# Altium PCB Gateway_V2.0_Final_PCB.PcbDoc (continued)
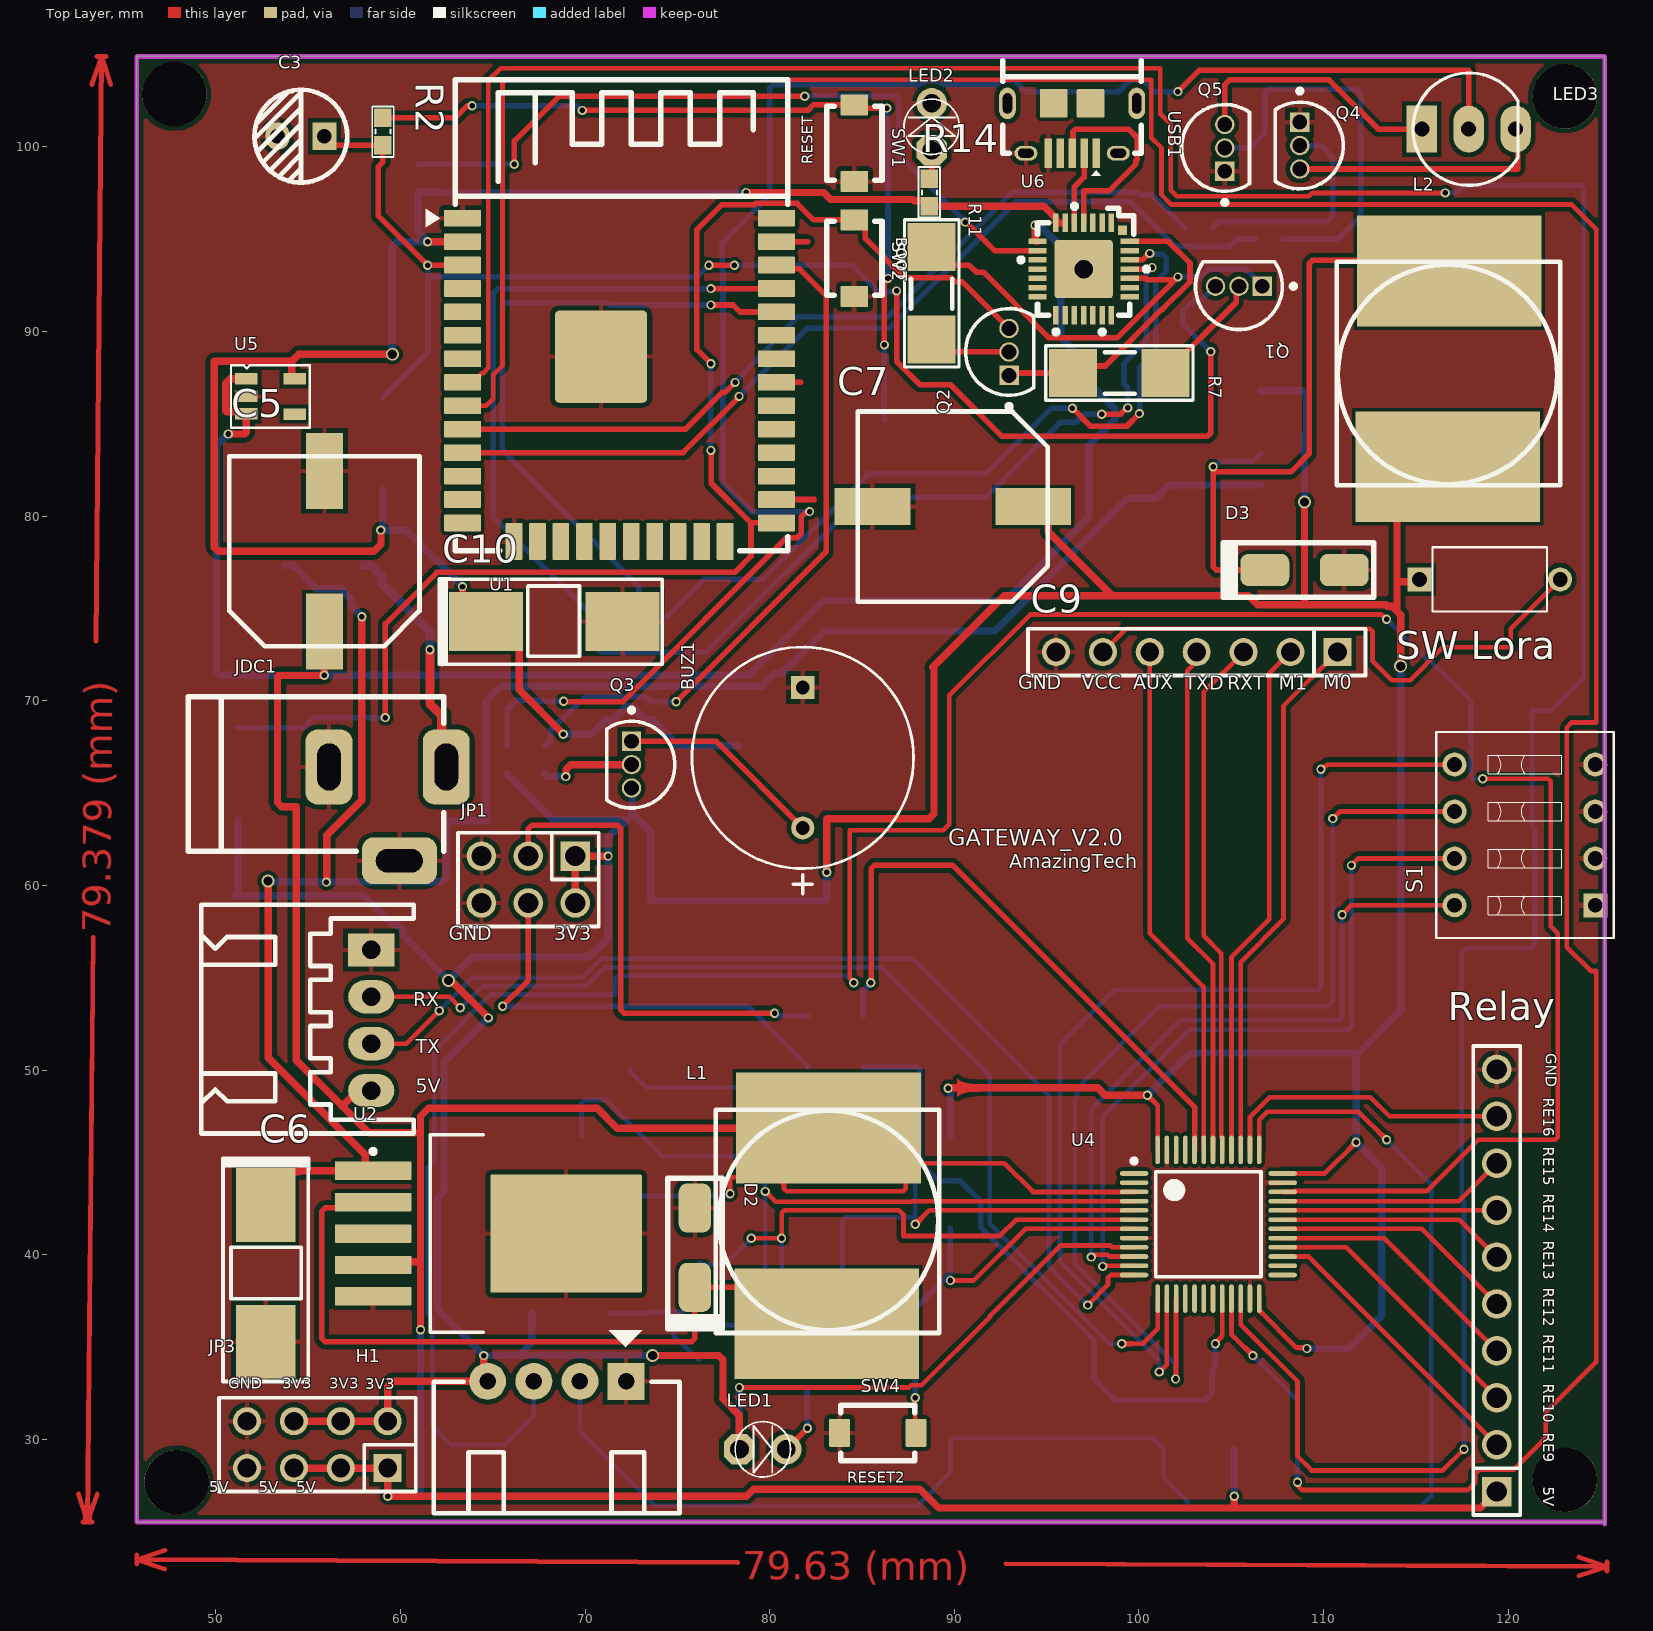
[diagram p0: Top Layer view]
## Footprints (in the part's own frame and the unit in brackets; to place one, negate y for a bottom-side part, rotate by r counter-clockwise, add the part's x,y. Pads: shape width x height; smd on the part's side, far side on the other; paste and mask are expansions set on the pad) (continued)
  silkscreen extent -3.99,-1.47 3.99,1.47, body extent -2.5,-1.25 2.5,1.25, height 0.59
TS5B_M [mm] "D2-PAK, 6-Leads, Body 8.6x10.2mm, Pitch 1.7mm, Lead Span 14.1mm, IPC Low Density"
  rect 3.5x1.1 smd: 1(-6.05,3.4) 2(-6.05,1.7) 3(-6.05,0) 4(-6.05,-1.7) 5(-6.05,-3.4)
  rect 8.6x10.5 smd: 6(3.5,0)
  silkscreen extent -6.17,-5.2 -1.2,5.2, body extent -2.6,-5.2 6.29,5.2, height 4.65
"tu 0805" [mm] "Compoment SMD 80x50mil"
  rect 1.2x1.4 smd: 1(-0.946,-0.003) 2(0.954,-0.003)
  silkscreen extent -1.75,-0.89 1.75,0.89, body extent -1.01,-0.64 1.01,0.63, height 0.61
"tu 1206" [mm]
  rect 1.7x1.7 smd: 1(-1.65,0) 2(1.65,0)
  silkscreen extent -2.67,-1.02 2.67,1.02, body extent -1.57,-0.8 1.63,0.8, height 0.94
"tu hoa 5mm" [mm]
  rect 1.3x1.5 hole 0.8: 1(-1.27,0)
  oval 1.3x1.5 hole 0.8: 2(1.27,0)
  silkscreen extent -2.51,-2.51 2.51,2.51, body extent -3.12,-3.18 3.23,3.18, height 14.55
"tu nhom 10 (G)" [mm]
  rect 4.1x2 smd: 1(-4.35,0) 2(4.35,0)
  silkscreen extent -5.15,-5.15 5.15,5.15, body extent -5.9,-5.25 5.9,5.25, height 10.5
"tu tantalum smd7343" [mm]
  rect 4x3.2 smd: 1(-3.7,0) 2(3.7,0)
  silkscreen extent -6.23,-2.31 5.85,2.31, body extent -3.75,-2.33 3.85,2.27, height 3.99
"USB_MICRO_B - Digikey" [mm] "USB_MICRO_B, 609-4618-1-ND"
  rrect10% 0.4x1.6 smd: 1(0,0) 2(0.65,0) 3(1.3,0) 4(1.95,0) 5(2.6,0)
  oval 1.25x0.8 hole 0.85 slot 0.5 at 90 deg: 6(-1.2,0) 7(3.8,0)
  oval 0.9x1.7 hole 0.5 slot 1.1 at 90 deg: 8(-2.2,-2.7) 9(4.8,-2.7)
  rrect10% 1.5x1.55 smd: ""(0.3,-2.7) ""(2.3,-2.7)
  silkscreen extent -2.45,-5 5.05,1.22, body extent -2.45,-5 5.05,0.29, height 2.61
XH4/2.54mm/90 [mm]
  rect 1.8x2.5 hole 1: 1(0,0)
  oval 1.8x2.5 hole 1: 2(2.54,0) 3(5.08,0) 4(7.62,0)
  silkscreen extent -2.45,-9.2 9.95,2.3, body extent -2.45,-9.2 9.95,2.3, height 6.1

## Part data
BUZ1: library part CMP-12433-000001-1, "MAGNETIC BUZZER AND TRANSDUCER - More Details", Current=30mA, Frequency=2300Hz, Manufacturer="Multicomp Pro", Manufacturer Part Number=MCKPX-G1203A-K4056, Max Supply Voltage=5V, Min Supply Voltage=2V, Operating Supply Voltage=3V, Package=0, Temperature="-20°C to +70°C", Temperature Range High=+70°C, Temperature Range Low=-20°C, Automotive=No, Category=Speak, ComponentLink2Description=Datasheet, ComponentLink2URL=http://www.farnell.com/datasheets/1498149.pdf?_ga=2.17855225.1157923166.1572356775-536200964.1569240579, Device Class L1=Electromechanical, Device Class L2="Audio Products", Device Class L3=Buzzers, Height=9.5mm, Lead Free=Yes, Octopart=https://octopart.com/mckpx-g1203a-k4056-multicomp-12157154, RoHS=TRUE, Standoff Height=0.5mm
C1: library part "Tu tantalum 22uF 25V SMD7343", "Dán", Chung_Loai=Dán, Don_Vi=Con, Ma_Hang=MH007975, So_Chan=2, Ten_Linh_Kien="Tụ tantalum 226E-22uF 25V SMD7343"
C2 C11 C12: library part "Tu 1206 104 50V 20%", "Dán", Chung_Loai=Dán, Don_Vi=Con, Ma_Hang=MH004544, So_Chan=2, Ten_Linh_Kien="Tụ 1206 104-0.1uF 20% 50V"
C3: library part "Tu Hoa 4.7uF 50V 5x11", "Cắm", Chung_Loai=Cắm, Don_Vi=Con, Ma_Hang=MH001357, So_Chan=2, Ten_Linh_Kien="Tụ Hóa 4.7uF 50V 5x11MM"
C4 C6: library part "Tu tantalum 100uF 16V SMD7343", "Dán", Chung_Loai=Dán, Don_Vi=Con, Ma_Hang=MH002346, So_Chan=2, Ten_Linh_Kien="Tụ tantalum 107C-100uF 16V SMD7343"
C5 C7: library part "Tu Nhom 1000uF 10V", "Dán", Chung_Loai=Dán, Don_Vi=Con, Ma_Hang=MH007515, So_Chan=2, Ten_Linh_Kien="Tụ Nhôm 1000uF 10V"
C8 C10: library part "Tu tantalum 10uF 35V SMD7343", "Dán", Chung_Loai=Dán, Don_Vi=Con, Ma_Hang=MH001955, So_Chan=2, Ten_Linh_Kien="Tụ tantalum 106V-10uF 35V SMD7343"
C9: "WR-PHD 2.54 mm Angled Socket Header", Manufacturer="W¨¹rth Elektronik eiSos GmbH", partNo=613007143121, ComponentLink1 Description=Manufacturer, ComponentLink1URL=http://www.we-online.com, ComponentLink2 Description=Datasheet, ComponentLink2URL=http://katalog.we-online.de/em/datasheet/6130xx143121.pdf, Created by="Karrer Zheng", Created Date="29 March 2013", NoPins=07
C13 C14 C15 C16 C21 C22: library part "Tu 0805 20pF 50V 10%", "Dán", Chung_Loai=Dán, Don_Vi=Con, Ma_Hang=MH004558, So_Chan=2, Ten_Linh_Kien="Tụ 0805 20P 10% 50V"
C17 C18 C19 C20: library part "Tu 0805 104 50V 10%", "Dán", Chung_Loai=Dán, Don_Vi=Con, Ma_Hang=MH004551, So_Chan=2, Ten_Linh_Kien="Tụ 0805 104-100nF 10% 50V"
D1 D2 D3: library part "D Schottky", "Schottky Diode", Code_JEDEC=DO-214-AA, LatestRevisionDate=17-Jul-2002, LatestRevisionNote="Re-released for DXP Platform.", PackageDescription="DO-214-AA/SMB; 2 C-Bend Leads; Body 5.3 x 3.6 mm, inc. leads (LxW)", PackageReference=SMB, Published=8-Jun-2000, Publisher="Altium Limited"
H1: library part "Header 4P 2.54 Duc Cong", "Cắm", Chung_Loai=Cắm, Don_Vi=Con, Ma_Hang=MH001310, Ten_Linh_Kien="Header 4P XH2.54-4P Đực Cong"
JDC1: library part DCIN, "Jac DC input"
JP1: library part "JP 2x3 2.54 Duc Thang", "Cắm", Chung_Loai=Cắm, Don_Vi=Con, Ma_Hang=MH002686, Ten_Linh_Kien="Jump Đôi Đực 2.54MM 2x40P Thẳng 11MM"
JP3: library part "JP 2x4 2.54 Cai Thang", "Cắm", Chung_Loai=Cắm, Don_Vi=Con, Ma_Hang=MH008647, Ten_Linh_Kien="Jump Đôi Cái 2.54MM 2x20P Thẳng"
L1 L2: library part "CUON CAM 100uH SMD", "Dán", Chung_Loai=Dán, Don_Vi=Con, Ten_Linh_Kien="Cuộn Cảm 100uH 7x7x4MM CD74"
LED1 LED2: library part "LED 3mm Xanh La", "Cắm", Chung_Loai=Cắm, Don_Vi=Con, Ma_Hang=MH001054, Ten_Linh_Kien="Led 3MM Phủ Xanh (10c)"
LED3: library part "LED 5mm 2 mau Anot chung", "Cắm", Chung_Loai=Cắm, Don_Vi=Con, Ma_Hang=MH001231, Ten_Linh_Kien="Led 5MM 2 Mầu Anot Xanh Đỏ (10c)"
Q1 Q2 Q3 Q4 Q5: library part CMP-2000-05562-1, "General Purpose Transistor, NPN Silicon, 200 mA, 60 V, -55 to 150 degC, 3-Pin TO-92, RoHS, Bulk", Collector- Base Voltage VCBO=60V, Collector- Emitter Voltage VCEO Max=40V, Collector-Emitter Saturation Voltage=0.3V, Emitter- Base Voltage VEBO=6V, Manufacturer=ONSemiconductor, Maximum DC Collector Current=0.2A, Maximum Operating Temperature=+150C, Maximum Power Dissipation=625mW, Minimum Operating Temperature=-65C, Package / Case=TO-92-3(TO-226), Package Description="3-Pin Transistor Outline, Body 4.825 x 3.685 mm, Pitch 1.27 mm", Package Reference=TO-92-3-29-11, Brand=ONSemiconductor, Configuration=Single, Datasheet URL=https://datasheet.ciiva.com/4725/2n3903-d-285841-4725808.pdf, Datasheet Version="Rev. 8, 08/2012", DC Collector/Base Gain hfe Min=60, Factory Pack Quantity=5000, Gain Bandwidth Product fT=270MHz, Manufacturer URL=http://www.onsemi.com/, Mounting Style=ThroughHole, Mounting Technology=ThroughHole, Packaging=Bulk, Product Category=BipolarTransistors-BJT, RoHS=Details, Transistor Polarity=NPN
R1 R3 R7 R11 R13: library part "Tro 2010 5% 10k", "Dán", Chung_Loai=Dán, Don_Vi=Con, Ma_Hang=MH005617, So_Chan=2, Ten_Linh_Kien="Trở 2010 5% 103-10k"
R2: library part "Tro 0603 1% 0R", "Dán", Chung_Loai=Dán, Don_Vi=Con, Ma_Hang=MH005792, So_Chan=2, Ten_Linh_Kien="Trở 0603 1% 0R"
R4 R5: library part "Tro 1206 1% 100K", "Dán", Chung_Loai=Dán, Don_Vi=Con, Ma_Hang=MH005890, So_Chan=2, Ten_Linh_Kien="Trở 1206 1% 100k"
R6 R10: library part "Tro 0805 5% 1M", "Dán", Chung_Loai=Dán, Don_Vi=Con, Ma_Hang=MH005235, So_Chan=2, Ten_Linh_Kien="Trở 0805 5% 1M"
R8 R9 R14: library part "Tro 0603 1% 1k", "Dán", Chung_Loai=Dán, Don_Vi=Con, Ma_Hang=MH006334, So_Chan=2, Ten_Linh_Kien="Trở 0603 1% 1k"
R12: library part "Tro 0603 5% 4.7k", "Dán", Chung_Loai=Dán, Don_Vi=Con, Ma_Hang=MH006327, So_Chan=2, Ten_Linh_Kien="Trở 0603 5% 4.7k"
R15 R16 R17 R18: library part "Tro 0603 5% 220R", "Dán", Chung_Loai=Dán, Don_Vi=Con, Ma_Hang=MH006322, So_Chan=2, Ten_Linh_Kien="Trở 0603 5% 220R"
Relay: library part "JP 1x10 2.54 Duc Thang", "Cắm", Chung_Loai=Cắm, Don_Vi=Con, Ma_Hang=MH000903, Ten_Linh_Kien="Jump Đơn Đực 2.54MM 1x40P Thẳng 11MM"
S1: library part SWDIP4, "WS-DITV 2.54 mm small compact THT flat actuator with top tape", Manufacturer="Wurth Elektronik", Part No.=418127160904, ComponentLink1 Description=Manufacturer, ComponentLink1URL=http://www.we-online.com, ComponentLink2 Description=Datasheet, ComponentLink2URL=http://katalog.we-online.de/em/datasheet/4181271609xx.pdf, Created by="Baojun Chen", Created Date=Dec.2015, Pole=04
SW1 SW2 SW4: library part SW2, "SWITCH TACTILE SPST-NO 0.05A 12V", Digikey=CKN10384CT-ND
"SW Lora": library part SW2, "Switch button 2 pin"
U1: "ESP-WROOM-32 (8MB), WIFI MODULE 64 MBITS SPI FLASH", Digikey=1904-1019-1-ND
U2: library part CMP-0069-00115-3, "SIMPLE SWITCHER® 3A Step-Down Voltage Regulator, 5-pin TO-263", Manufacturer="Texas Instruments", PackageTopMarking="NSUZXYTTE#*LM2576S*-5.0 P+", PowerWise=N, Code_JEDEC=MO-169-AB, ComponentLink1Description="Datasheet URL", ComponentLink1URL=http://www.ti.com/general/docs/lit/getliterature.tsp?genericPartNumber=LM2576&fileType=pdf, CompType=Switcher, PackageDescription="TO-263, Molded, .400 x .390 x .180in, 5 Lead, .067in Pitch, Surface Mount", PackageReference=KTT0005B, PinCount=5, RoHS=N
U3: library part CMP-0069-00113-2, "SIMPLE SWITCHER® 3A Step-Down Voltage Regulator, 5-pin TO-263", Manufacturer="National Semiconductor", PackageTopMarking="NSUZXYTTE#*LM2576S*-3.3 P+", PowerWise=N, Code_JEDEC=MO-169-AB, ComponentLink1Description="LM2576 Datasheet", ComponentLink1URL=http://www.national.com/ds/LM/LM2576.pdf, ComponentLink2Description="LM2576 Web Page", ComponentLink2URL=http://www.national.com/pf/LM/LM2576.html, ComponentLink3Description="TS5B Package Page", ComponentLink3URL=http://www.national.com/packaging/folders/ts5b.html, CompType=Switcher, DatasheetVersion=Aug-2004, PackageDescription="TO-263, Molded, .400 x .390 x .180in, 5 Lead, .067in Pitch, Surface Mount", PackageReference=TS5B, PackageVersion="revD, Apr-2005", PinCount=5, RevisionNote="Component URLs added", RoHS=N
U4: library part CMP-0237-00215-3, "ARM Cortex-M3 32-bit MCU, 64 KB Flash, 20 KB Internal RAM, 37 I/Os, 48-pin LQFP, -40 to 85 degC, Tray", I/Os (High Current)=37, Operating Frequency(F) (Processor speed) (MHz)=72, Supply Voltage(Vcc) min (V)=2, A/D Converter="2x12-bit (10 Channel)", ComponentLink1Description="Manufacturer URL", ComponentLink1URL=http://www.st.com/web/en/home.html, ComponentLink2Description=Datasheet, ComponentLink2URL=http://www.st.com/st-web-ui/static/active/en/resource/technical/document/datasheet/CD00161566.pdf, ComponentLink3Description="Package Specification", ComponentLink3URL=http://www.st.com/st-web-ui/static/active/en/resource/technical/document/datasheet/DM00058181.pdf, Core="ARM Cortex-M3", DatasheetVersion="Rev. 16", FLASH Size (Prog) (kB)=64, Internal RAM Size (kB)=20, Mounting Technology="Surface Mount", PackageDescription="48-Pin Low Profile Quad Flat Package, 7 x 7 mm Body, 0.5 mm Pitch", PackageReference=LQFP48, PackageVersion="Rev. 6, 06/2013", Packing=Tray, PartNumber=STM32F103C8T6
U5: library part REG_5.5V-3.3V-0.3A-1W-SOT-23-5, "Linear Voltage Regulator IC 1 Output 300mA SOT-23-5", Alternate Part Number-1=NA, Case/Package=SOT-23-5, Manufacturer="Richtek USA Inc.", Supplier Part Number-1=C15651, Manufacturer Part Number=RT9193-33GB, Supplier-1=LCSC
U6: library part CP2102, "USB Bridge, USB to UART USB 2.0 UART Interface 28-QFN (5x5)", Digikey=336-3694-ND, VNBuy=https://banlinhkien.vn/goods-2607-cp2102-qfn28.html
USB1: library part USB_MINI, "USB - micro B USB 2.0 Receptacle Connector 5 Position Surface Mount, Right Angle; Through Hole", BuyVN=https://banlinhkien.vn/goods-5145-microusb-mk5p-dip.html, Digikey=609-4618-1-ND
Y1: library part CMP-27762-001729-1, "CRYSTAL 8.0000MHZ 18PF SMD", ESR (Equivalent Series Resistance)=80R, Frequency=8MHz, Frequency Stability=30ppm, Load Capacitance=18pF, Max Operating Temperature=85°C, Min Operating Temperature=-40°C, Operating Frequency="8 MHz", Package Quantity=1000, Depth=4.7mm, Frequency Tolerance=30ppm, Height=0.13inch, Lead Free="Lead Free", Length=11.4mm, Mount="Surface Mount", Number of Pins=2, Packaging="Tape and Reel", RoHS Compliant=Yes, Series=ABLS2, Series Resistance=80R, Termination=SMD/SMT, Tolerance=30ppm, Width=4.7mm
Y2: library part CMP-2000-05037-2, "CRYSTAL 32.7680KHZ 12.5PF SMD", Case/Package=SMD/SMT, ESR (Equivalent Series Resistance)=50kR, Frequency=32.768kHz, Frequency Tolerance=20ppm, Load Capacitance=12.5pF, Max Operating Temperature=85°C, Min Operating Temperature=-40°C, Operating Frequency="32.768 kHz", Package Quantity=1000, Depth=3.8mm, Height=0.098inch, Lead Free="Lead Free", Length=8mm, Mount="Surface Mount", Number of Pins=4, Packaging="Tape and Reel", Radiation Hardening=No, REACH SVHC="No SVHC", RoHS Compliant=Yes, Series=ABS25, Series Resistance=50kR, Termination=SMD/SMT, Tolerance=20ppm, Width=3.8mm

## Free pads (board coordinates)
  round 3.5 hole 3.5: ""(47.752,102.87) ""(47.879,27.686) ""(123.063,27.813) ""(123.063,102.743)

## Via types
v1: diameter 0.5, hole 0.3, Top Layer to Bottom Layer, 88 vias
v2: diameter 0.7, hole 0.5, Top Layer to Bottom Layer, 6 vias

## Nets (pads, with @x,y where several pads share a name; then routed paths per layer and width w, separated by ;. In a path a pad name is that pad's centre, name@x,y a point inside that pad or via, vN(x,y) a via of type N, cw(c..) or ccw(c..) an arc to the next point about the centre after c; other vN are vias at no path point)
3.3V_ESP: C1.1 C2.2 C10.1 C12.1 R1.2 R12.1 R14.1 U1.2 U5.5 U6.6 U6.7 | length 109
  Top Layer w0.4: U5.5 54.232,87.44 54.122,87.55 54.122,88.392 ; v1(58.928,79.248) 58.945,79.231 58.945,78.482 58.557,78.094 50.158,78.094 49.924,78.328 49.924,88.392 54.122,88.392 ; v2(59.563,88.773) 54.483,88.773 54.483,88.753 54.122,88.392 ; v1(61.468,94.869) 61.472,94.873 63.362,94.873 U1.2 ; v1(63.361,76.188) 63.361,75.56 C10.1 65.026,74.295 66.426,72.895 66.426,70.607 68.834,68.199 v1(68.822,68.187) ; v1(78.721,97.536) 82.918,97.536 83.299,97.155 87.769,97.155 87.838,97.086 88.371,97.086 88.646,96.811 R14.1 94.853,96.786 95.504,96.135 U6.7 U6.6@95.954,95.885
  Bottom Layer w0.4: R1.2 59.055,79.402 58.928,79.275 v1(58.928,79.248) 60.324,79.248 v1@63.373,76.199 ; v2(59.563,88.773) 59.563,94.635 59.797,94.869 v1(61.468,94.869) 61.468,94.896 60.96,95.404 R12.1 60.966,97.542 62.097,97.542 62.103,97.536 v1(78.721,97.536) v1@78.74,97.536 ; v1(68.822,68.187) 70.347,68.187 71.135,68.975 71.515,68.975 72.224,69.684 72.556,69.684 73.265,68.975 73.645,68.975 75.056,67.564 C1.1
3V3: "SW Lora.1" C7.1 C17.1 C18.1 C19.1 C20.1 C21.1 H1.4 JP1.1 JP1.6 JP3.6 JP3.7 JP3.8 L2.2 LED1.1 Q3.3 R3.2 R13.2 R15.2 U3.4 U4.9 U4.24 U4.36 U4.48 | length 307.5
  Top Layer w0.254: v1(78.359,32.813) 87.543,32.813 87.666,32.936 88.22,32.936 91.936,36.651 91.936,36.691 95.754,40.509 98.44,40.509 98.543,40.406 U4.9 ; v1(100.457,48.641) 101.009,48.089 U4.48 ; U4.24 106.509,36.985 108.522,34.972 109.046,34.972 v1(109.093,34.925) ; U4.36 110.065,44.406 v1(111.76,46.101)
  Top Layer w0.4: JP3.6 JP3.7 JP3.8 59.309,32.893 59.563,33.147 H1.4 64.516,33.354 64.516,34.29 ; v2(62.601,54.854) 62.658,54.797 62.8,54.797 v1(64.767,52.829) ; JP1.6 JP1.1 v1(71.247,61.595) ; v2(73.66,34.544) 77.236,34.544 77.47,34.31 77.47,32.258 77.441,32.229 78.359,31.312 LED1.1 ; v1@83.084,60.732 83.084,63.627 88.646,63.627 88.9,63.881 88.9,71.755 88.837,71.819 92.71,75.692 98.552,75.692 ; v1@89.662,49.042 97.77,49.042 98.171,48.641 v1(100.457,48.641) ; C7.1 94.292,80.518 95.092,79.718 95.092,79.152 98.552,75.692 ; v2(108.966,80.772) 108.966,75.203 ; v2(114.173,71.882) 114.173,74.656 113.975,74.854 ; 115.189,76.581 115.062,76.454 113.975,76.454 ; L2.2 113.975,79.939 113.975,76.454 ; 98.552,75.692 105.927,75.692 106.417,75.203 108.966,75.203 ; 108.966,75.203 113.357,75.203 113.435,75.126 113.703,75.126 113.975,74.854 ; 113.975,74.854 113.975,76.454
  Bottom Layer w0.4: R3.2 51.181,59.563 51.054,59.436 58.019,59.436 59.586,57.869 59.858,57.869 60.124,57.603 60.124,57.331 v2(62.601,54.854) ; JP3.8 JP3.8@59.436,31.115 ; v2@62.611,54.864 63.881,56.134 70.231,56.134 71.247,57.15 v1(71.247,61.595) 71.247,62.611 71.872,63.236 71.945,63.236 72.268,63.559 ; v1(64.767,52.829) 62.357,50.419 62.357,43.434 61.995,43.072 61.995,37.065 v1(64.516,34.544) 66.421,34.544 ; R15.2 65.786,66.027 68.254,63.559 72.268,63.559 ; C21.1 67.113,35.376 67.183,35.306 66.421,34.544 ; Q3.3 72.571,65.224 72.571,63.9 72.59,63.881 ; v2(73.66,34.544) 66.421,34.544 ; LED1.1 v1(78.359,32.813) ; v1(83.084,60.722) 83.084,59.261 C18.1 83.012,59.189 C17.1 C20.1 C19.1 73.553,62.918 72.59,63.881 ; v1(89.662,49.022) 89.662,48.995 89.789,48.868 R13.2 ; v1(100.457,48.641) 102.743,50.927 111.629,50.927 111.76,50.796 ; U3.4 108.859,86.79 109.093,86.556 109.093,84.496 108.966,84.369 v2(108.966,80.772) ; v1(109.093,34.925) 111.379,34.925 113.157,36.703 113.157,44.704 v1(111.76,46.101) 111.76,50.796 ; v2(114.173,71.882) 114.173,53.209 111.76,50.796 ; 72.268,63.559 72.59,63.881
5V: C5.1 C11.1 JP3.1 JP3.2 JP3.3 L1.2 Relay.1 U2.4 U5.1 U5.3 U6.8 XH1.4 | length 245.2
  Top Layer w0.4: v1(50.673,84.455) 51.562,84.455 51.649,84.542 U5.3 51.539,85.65 50.602,85.65 50.546,85.705 50.546,87.205 50.78,87.44 U5.1 ; JP3.3 JP3.2 JP3.1 59.309,27.178 ; C5.1 v1(55.88,71.384) 55.88,71.374 53.34,71.374 53.34,64.496 53.574,64.262 54.356,64.262 54.356,50.546 56.832,48.069 ; XH1.4 57.691,48.895 56.866,48.069 56.832,48.069 ; U2.4 58.696,39.624 61.087,39.624 ; v1(59.309,26.924) 78.74,26.924 79.121,27.305 88.138,27.305 89.154,26.289 105.156,26.289 ; v1(61.087,35.941) 61.087,39.624 ; L1.2 71.729,46.863 70.663,47.93 61.519,47.93 61.087,47.498 61.087,46.609 ; v1(94.361,95.758) 94.38,95.739 94.38,94.935 94.43,94.885 U6.8 ; v1(105.156,26.924) 105.156,26.289 ; Relay.1 118.491,26.289 105.156,26.289 ; 56.832,48.069 58.293,46.609 61.087,46.609 ; 61.087,39.624 61.087,46.609
  Bottom Layer w0.4: v1@50.546,84.328 50.038,83.82 50.038,71.618 50.272,71.384 v1(55.88,71.384) 78.867,71.384 82.917,75.434 92.766,75.434 97.282,79.95 97.282,83.829 98.69,85.237 98.69,85.82 97.282,87.228 97.282,88.179 95.758,89.703 95.758,94.615 94.615,95.758 v1(94.361,95.758) ; v1(59.309,26.924) 60.853,26.924 61.087,27.158 v1(61.087,35.941) ; v1(105.156,26.924) C11.1 ; Relay.1@118.999,27.051 Relay.1@119.253,27.305 ; Relay.1 Relay.1@119.951,27.749
BOOT0: R4.1 U4.44 | length 33.5
  Top Layer w0.3: v1(85.471,54.737) 85.49,54.756 85.49,60.911 85.666,61.087 89.916,61.087 103.009,47.994 U4.44
  Bottom Layer w0.3: R4.1 85.066,54.278 85.471,54.683 v1(85.471,54.737)
BOOT1: R5.2 U4.20 | length 36.9
  Top Layer w0.254: v1(104.14,35.179) 104.14,35.246 104.509,35.615 U4.20
  Bottom Layer w0.3: R5.2 88.011,50.165 88.138,50.038 88.138,44.998 89.13,44.006 90.32,44.006 91.439,42.887 91.439,41.49 97.574,35.355 97.574,33.269 98.712,32.131 103.632,32.131 103.956,32.455 103.956,33.76 104.14,33.944 v1(104.14,35.179)
EN: C3.1 Q1.3 R1.1 R2.2 U1.3 | length 79.7
  Top Layer w0.3: C3.1 56.376,100.088 R2.2 59.055,99.187 58.801,98.933 58.801,96.266 v1(61.468,93.599) 61.468,93.606 U1.3 ; v1(76.708,93.599) v1(78.086,93.599) v1@78.105,93.599 ; v1(86.868,92.202) 86.868,88.385 88.131,87.122 89.789,87.122 92.583,84.328 103.71,84.328 103.886,84.504 v1(103.886,88.919) v1@103.886,89.027
  Bottom Layer w0.3: R1.1 61.468,88.86 61.468,92.964 ; v1(61.468,93.599) 61.468,92.964 ; v1(76.708,93.599) 76.073,92.964 61.468,92.964 ; v1(78.086,93.599) 84.455,93.599 85.979,92.075 86.279,92.075 86.368,92.164 86.83,92.164 v1(86.868,92.202) ; v1(103.886,88.919) 102.362,90.443 102.362,91.059 102.989,91.686 103.37,91.686 Q1.3
GND: BUZ1.1 C1.2 C2.1 C3.2 C4.2 C5.2 C6.2 C7.2 C8.2 C9.7 C10.2 C11.2 C12.2 C13.2 C14.2 C15.2 C16.2 C17.2 C18.2 C19.2 C20.2 C21.2 C22.2 D2.1 D3.1 H1.1 JDC1.2 JDC1.3 JP1.3 JP1.4 JP3.4 JP3.5 LED2.2 Q4.1 Q5.1 R10.2 Relay.10 S1.1 S1.2 S1.3 S1.4 SW1.1 SW2.2 SW4.1 U1.1 U1.15 U1.38 U1.39 U2.3 U2.5 U2.6 U3.3 U3.5 U3.6 U4.8 U4.23 U4.35 U4.47 U5.2 U6.3 U6.29 USB1.5 USB1.6 USB1.7 XH1.1
IO0: Q2.3 R3.1 SW2.1 U1.25 | length 75.6
  Top Layer w0.3: v1@59.182,69.088 v1(59.182,69.098) 59.182,74.168 61.976,76.962 78.105,76.962 78.987,77.844 78.987,79.636 ; v1(76.816,83.566) 76.835,83.547 76.835,81.788 78.987,79.636 ; v1(76.816,88.265) 76.054,89.027 76.054,95.521 77.415,96.882 79.183,96.882 79.247,96.946 81.485,96.946 82.376,96.055 SW2.1 84.758,96.055 85.179,95.633 85.179,95.034 87.249,92.964 87.289,92.964 87.328,92.925 89.828,92.925 90.043,92.71 90.424,92.71 Q2.3 ; U1.25 78.987,79.636
  Bottom Layer w0.3: R3.1 54.752,68.54 55.31,69.098 v1(59.182,69.098) ; v1(76.816,83.566) v1(76.816,88.265)
IO2: U1.24 | length 0.5
  Top Layer w0.3: U1.24@77.581,78.086 U1.24
IO4/INT: U1.26 | length 2
  Top Layer w0.3: U1.26 82.416,80.906
IO5: U1.29
IO6: U1.20
IO7: U1.21
IO8: U1.22
IO9: U1.17
IO10: U1.18
IO11: U1.19
IO12/MISO: U1.14
IO13/MOSI: U1.16
IO14/SCK: U1.13
IO15/CS: U1.23
IO16/RX: U1.27
IO17/TX: U1.28
IO18: U1.30 | length 0
  Top Layer w0.3: U1.30 U1.30@80.37,85.983
IO19: U1.31 | length 1.3
  Top Layer w0.3: U1.31 81.668,87.256
IO21: U1.33
IO22: R16.1 U1.36 | length 37.4
  Top Layer w0.3: v1(74.93,69.949) 83.058,78.077 83.058,91.948 81.613,93.393 80.579,93.393 U1.36
  Bottom Layer w0.3: R16.1 68.143,67.877 68.143,68.433 68.689,68.979 68.761,68.979 70.016,70.234 73.293,70.234 73.579,69.949 v1(74.93,69.949)
IO23: U1.37 | length 1.7
  Top Layer w0.3: U1.37 82.049,94.876
IO25: R17.1 U1.10 | length 45.3
  Top Layer w0.3: U1.10 63.369,84.713 75.442,84.713 77.45,86.721 77.596,86.721 v1(78.124,87.249)
  Bottom Layer w0.3: v1(78.124,87.249) 81.339,90.629 81.515,90.805 86.396,90.805 93.127,97.536 99.949,97.536 100.076,97.409 100.698,97.409 R17.1@102.476,95.631
IO26: R18.1 U1.11 | length 49.7
  Top Layer w0.3: U1.11 63.369,83.443 75.315,83.443 v1@78.359,86.487
  Bottom Layer w0.3: v1(78.34,86.487) 82.023,90.17 86.468,90.17 93.326,97.028 99.568,97.028 101.981,94.615 104.902,94.615 105.283,94.996 R18.1@106.299,94.996
IO27/RESET_ETH: U1.12
IO32: U1.8 U4.22 | length 177.1
  Top Layer w0.254: U1.8 63.916,87.256 64.409,87.749 64.475,87.749 64.76,88.034 64.76,103.601 65.427,104.267 101.157,104.267 101.157,101.789 101.727,101.219 101.727,97.663 102.056,97.334 109.199,97.334 109.376,97.511 v1(116.586,97.511) ; U4.22 105.509,36.223 108.585,33.147 108.585,29.083 109.347,28.321 116.459,28.321 v1(117.602,29.464)
  Bottom Layer w0.254: v1(116.586,97.511) 116.607,97.532 117.217,97.532 117.601,97.916 123.931,97.916 124.08,97.767 124.08,71.248 122.301,69.469 121.285,69.469 121.285,63.189 121.452,63.022 121.452,56.809 121.251,56.608 117.723,56.608 117.475,56.361 117.475,43.009 117.602,42.882 v1(117.602,29.464)
IO33: U1.9 U4.21 | length 180.6
  Top Layer w0.254: U1.9 64.65,85.986 65.024,86.36 65.024,87.656 65.532,88.164 65.532,103.483 65.681,103.632 100.659,103.632 100.659,100.509 101.219,99.949 101.219,97.409 101.748,96.88 123.443,96.88 124.768,95.555 124.768,68.834 123.444,68.834 123.168,68.558 123.168,56.664 124.46,55.372 124.768,55.372 124.768,34.217 122.035,31.484 122.035,30.087 120.307,28.359 118.422,28.359 118.199,28.136 118.199,27.648 117.809,27.258 108.839,27.258 108.632,27.465 108.632,27.639 v1(108.585,27.686) ; U4.21 105.009,35.707 v1(106.172,34.544)
  Bottom Layer w0.254: v1(106.172,34.544) 108.585,32.131 v1(108.585,27.686)
IO34: U1.6
IO35: U1.7
MISO: U4.16
MOSI: U4.17
NetBUZ1_2: BUZ1.2 Q3.1 | length 11.2
  Top Layer w0.3: Q3.1 77.089,67.818 BUZ1.2
NetC8_1: C8.1 R2.1 SW1.2 | length 44.6
  Top Layer w0.3: R2.1 62.98,101.588 63.627,102.235 ; v1(69.85,101.981) 82.059,101.981 82.356,102.278 SW1.2 84.752,102.108 v1(86.341,102.108) ; v1(86.214,89.281) 86.214,92.637 86.406,92.828 v1(86.406,92.883)
  Bottom Layer w0.3: v1(63.881,102.235) 69.542,102.235 69.796,101.981 v1(69.85,101.981) ; v1(86.214,89.281) 86.214,85.253 C8.1 ; v1(86.341,102.108) 86.341,101.323 86.406,101.258 v1(86.406,92.883)
NetC9_6: "SW Lora.2" C9.6 | length 30.2
  Top Layer w0.254: C9.6 99.314,73.914 112.5,73.914 112.649,73.765 112.649,72.158 113.687,71.12 114.681,71.12 116.459,72.898 120.142,72.898 120.142,73.914 122.809,76.581
NetD1_1: D1.1 JDC1.1 | length 13
  Top Layer w0.5: v1(61.595,72.771) 61.595,69.85 62.242,69.203 62.242,66.663 JDC1.1
  Bottom Layer w0.5: D1.1 58.379,77.343 58.989,76.732 58.989,76.384 61.595,73.778 v1(61.595,72.771)
NetD2_2: D2.2 L1.1 U2.2 | length 40.9
  Top Layer w0.3: U2.2 58.217,42.545 55.922,42.545 55.746,42.369 55.746,35.474 55.921,35.298 75.77,35.298 75.946,35.474 D2.2 81.112,38.236 L1.1
NetD3_2: D3.2 L2.1 U3.2 | length 35
  Top Layer w0.3: v1(104.013,82.677) 104.013,82.399 ; D3.2 104.189,77.089 104.013,77.265 104.013,82.399 ; L2.1 116.237,93.853 109.396,93.853 109.22,93.677 109.22,83.387 108.232,82.399 104.013,82.399
  Bottom Layer w0.3: v1(104.013,82.677) 104.067,82.677 104.38,82.99 106.199,82.99 U3.2
NetJP1_2: JP1.2 R4.2 | length 26.7
  Top Layer w0.3: JP1.2 66.929,63.087 67.105,63.262 71.76,63.262 71.936,63.087 71.936,53.262 72.112,53.086 v1(80.264,53.086)
  Bottom Layer w0.3: v1(80.264,53.086) 80.318,53.086 80.445,52.959 R4.2
NetJP1_5: JP1.5 R5.1 | length 24.1
  Top Layer w0.3: v1(65.532,53.467) 66.929,54.864 JP1.5
  Bottom Layer w0.3: v1(65.532,53.467) 78.814,53.467 82.066,50.215 R5.1
NetLED1_2: LED1.2 R10.1 | length 3.6
  Top Layer w0.3: LED1.2 v1(82.042,30.607)
  Bottom Layer w0.3: R10.1 82.042,32.522 v1(82.042,30.607)
NetLED2_1: LED2.1 R14.2 | length 1.6
  Top Layer w0.3: R14.2 88.773,98.413 LED2.1
NetLED3_1: LED3.1 Q5.3 | length 14
  Top Layer w0.3: Q5.3 104.648,103.378 104.902,103.632 110.291,103.632 112.958,100.965 LED3.1
NetLED3_2: LED3.2 R15.1 | length 93.7
  Top Layer w0.3: v1(68.834,69.977) 68.862,69.949 72.029,69.949 80.916,78.836 81.485,78.836 81.716,79.067 81.716,79.976 81.953,80.214 82.119,80.214 v1(82.157,80.252) ; v1(102.108,102.997) 103.257,104.146 117.856,104.146 LED3.2
  Bottom Layer w0.3: R15.1 65.786,69.547 66.264,70.025 67.498,70.025 67.546,69.977 v1(68.834,69.977) ; v1(82.157,80.252) 79.006,80.252 77.47,81.788 77.47,93.29 77.432,93.328 77.432,94.815 77.978,95.361 77.978,95.377 80.01,97.409 80.01,103.202 80.186,103.378 88.081,103.378 cw(c88.773,102.362) 89.465,103.378 92.285,103.378 92.523,103.616 93.231,103.616 93.85,102.997 98.904,102.997 99.523,103.616 100.231,103.616 100.85,102.997 v1(102.108,102.997)
NetLED3_3: LED3.3 Q4.3 | length 14
  Top Layer w0.3: Q4.3 120.523,98.806 120.523,100.838 LED3.3
NetQ1_2: Q1.2 R7.1 | length 6.3
  Top Layer w0.3: R7.1 105.266,91.59 105.266,92.312 Q1.2
NetQ2_2: Q2.2 R11.1 | length 4.5
  Top Layer w0.3: R11.1 89.448,88.9 Q2.2
NetQ3_2: Q3.2 R16.2 | length 5.3
  Top Layer w0.4: v1(68.949,65.901) 68.968,65.92 68.968,66.301 69.215,66.548 Q3.2
  Bottom Layer w0.4: R16.2 67.95,65.92 68.93,65.92 v1(68.949,65.901)
NetQ4_2: Q4.2 R17.2 | length 12
  Bottom Layer w0.3: R17.2 104.312,95.942 110.179,95.942 110.49,96.253 110.49,99.441 109.855,100.076 Q4.2
NetQ5_2: Q5.2 R18.2 | length 21.5
  Bottom Layer w0.3: Q5.2 106.045,99.949 106.807,100.711 106.807,102.948 106.983,103.124 111.76,103.124 112.014,102.87 112.014,96.266 110.744,94.996 ; R18.2@107.823,94.996 110.744,94.996 ; 110.744,94.996 110.757,94.996 110.744,94.983 110.744,94.996
NetR8_1: R8.1 U6.26 | length 42.2
  Top Layer w0.3: v1(96.393,85.852) 97.371,84.874 99.336,84.874 v1(100.024,85.562) ; U6.26 100.181,93.885 100.53,94.234 v1(100.584,94.234)
  Bottom Layer w0.3: R8.1 76.442,76.581 79.629,76.581 85.344,82.296 91.694,82.296 95.25,85.852 v1(96.393,85.852) ; v1(100.024,85.562) 100.047,85.585 100.047,88.109 100.905,88.967 100.905,92.686 101.473,93.254 101.473,93.98 101.257,94.196 100.622,94.196 v1(100.584,94.234)
NetR9_1: R9.1 U6.25 | length 44.1
  Top Layer w0.3: v1(97.986,85.528) 99.002,85.528 99.338,85.864 v1(99.393,85.864) ; U6.25 100.57,93.385 100.657,93.472 v1(100.711,93.472)
  Bottom Layer w0.3: R9.1 70.485,73.012 70.81,72.687 70.943,72.687 70.986,72.644 76.581,72.644 84.963,81.026 91.694,81.026 95.758,85.09 96.6,85.09 97.039,85.528 v1(97.986,85.528) ; v1(99.393,85.864) 99.393,86.964 99.189,87.167 99.189,88.267 100.405,89.483 100.405,93.112 100.711,93.418 v1(100.711,93.472)
NetR12_2: R12.2 U6.9 | length 41.3
  Top Layer w0.3: v1(66.167,99.06) 66.167,100.33 68.58,102.743 v1(81.896,102.743) ; v1@90.551,96.012 92.178,94.385 U6.9
  Bottom Layer w0.3: R12.2 60.972,99.06 v1(66.167,99.06) ; v1@81.788,102.743 81.807,102.762 86.8,102.762 86.995,102.567 86.995,99.532 v1(90.597,95.931)
OSCIN: C13.1 R6.2 U4.5 Y1.1 | length 43.5
  Top Layer w0.254: v1(87.884,41.656) 88.634,42.406 U4.5
  Bottom Layer w0.254: C13.1 72.447,49.935 73.308,49.073 Y1.1 79.176,49.073 80.497,47.752 87.249,47.752 87.566,47.434 87.566,44.895 87.884,44.577 87.884,42.164 ; R6.2 83.947,36.825 83.947,41.888 84.096,42.037 87.757,42.037 87.884,42.164 ; v1(87.884,41.656) 87.884,42.164
OSCOUT: C15.1 R6.1 U4.6 Y1.2 | length 38.9
  Top Layer w0.254: v1(78.994,40.894) 80.531,40.894 v1@80.645,41.008 ; v1@80.645,41.021 80.645,42.267 80.794,42.416 86.993,42.416 87.249,42.159 87.249,41.021 92.456,41.021 93.341,41.906 U4.6
  Bottom Layer w0.254: C15.1 73.49,36.827 73.563,36.9 75.277,36.9 76.2,37.823 Y1.2 76.276,39.497 77.597,39.497 v1(78.994,40.894) ; v1(80.645,40.894) 80.645,38.204 81.985,36.864 R6.1
PA0/REL1: S1.8 U4.10 | length 37.9
  Top Layer w0.254: v1@97.435,39.904 97.502,39.904 97.6,40.002 98.304,40.002 98.4,39.906 U4.10 ; v1(110.998,58.42) 111.506,58.928 S1.8
  Bottom Layer w0.254: v1(97.409,39.878) 97.409,47.879 102.235,52.705 110.849,52.705 110.998,52.854 v1(110.998,58.42)
PA1/REL2: S1.7 U4.11 | length 39.8
  Top Layer w0.254: v1(98.043,39.371) 98.075,39.404 99.732,39.404 U4.11 ; v1(111.506,61.087) 111.887,61.468 S1.7
  Bottom Layer w0.254: v1(98.043,39.371) v1(98.043,39.371) 98.044,47.498 102.743,52.197 111.357,52.197 111.506,52.346 v1(111.506,61.087)
PA2/U2_TX: U4.12 XH1.3 | length 57.3
  Top Layer w0.254: XH1.3 60.325,51.435 v1(62.103,53.213) ; v1(97.22,37.276) 98.32,38.376 98.32,38.757 98.469,38.906 U4.12
  Bottom Layer w0.254: v1(62.103,53.213) 63.9,55.01 69.862,55.01 70.878,56.026 87.738,56.026 95.123,48.641 95.123,39.373 v1(97.22,37.276)
PA3/U2_RX: U4.13 XH1.2 | length 58.9
  Top Layer w0.254: XH1.2 62.657,53.975 v1(63.246,53.386) ; v1(99.06,35.179) 100.203,35.179 101.009,35.985 U4.13
  Bottom Layer w0.254: v1(63.246,53.386) 63.292,53.386 64.462,54.556 70.05,54.556 71.066,55.572 86.033,55.572 91.916,49.689 91.916,41.688 98.425,35.179 v1(99.06,35.179)
PA4: S1.5 U4.14 | length 58.8
  Top Layer w0.254: v1@101.128,33.655 101.509,34.036 U4.14 ; v1(109.855,66.294) 109.922,66.294 110.176,66.548 S1.5
  Bottom Layer w0.254: v1(101.092,33.655) 101.092,34.297 95.765,39.624 95.726,39.624 95.726,51.403 98.679,54.356 109.706,54.356 109.855,54.505 v1(109.855,66.294) v1@109.855,66.421
PA5: S1.6 U4.15 | length 54.9
  Top Layer w0.254: v1@102.009,33.274 U4.15 ; v1(110.49,63.627) 110.871,64.008 S1.6
  Bottom Layer w0.254: v1(101.981,33.274) 101.981,34.05 96.52,39.511 96.52,48.387 96.647,48.514 96.647,49.022 101.092,53.467 110.236,53.467 110.49,53.721 v1(110.49,63.627)
PA8/REL7: Relay.4 U4.29 | length 14.1
  Top Layer w0.254: U4.29 107.786,40.904 113.274,40.904 Relay.4
PA9/REL8: Relay.5 U4.30 | length 13.3
  Top Layer w0.254: U4.30 115.312,41.406 Relay.5
PA10/REL9: Relay.6 U4.31 | length 12.4
  Top Layer w0.254: U4.31 117.352,41.906 Relay.6
PA11/REL10: Relay.7 U4.32 | length 11.6
  Top Layer w0.254: U4.32 119.368,42.406 Relay.7
PA12/REL11: Relay.8 U4.33 | length 12.4
  Top Layer w0.254: U4.33 117.328,42.906 Relay.8
PA15: Relay.9 U4.38 | length 16
  Top Layer w0.254: U4.38 106.009,47.462 107.083,48.536 112.53,48.536 113.568,47.498 Relay.9
PB0: U4.18
PB1: U4.19
PB3/REL12: C9.1 U4.39 | length 29.1
  Top Layer w0.254: U4.39 105.509,55.852 107.823,58.166 107.823,69.723 C9.1
PB4/REL13: C9.2 U4.40 | length 28.3
  Top Layer w0.254: U4.40 105.009,56.114 107.061,58.166 107.061,71.501 C9.2
PB5/REL14: C9.3 U4.41 | length 28.3
  Top Layer w0.254: U4.41 104.509,46.327 104.463,46.373 104.463,56.319 103.505,57.277 103.505,70.485 C9.3
PB6/REL15: C9.4 U4.42 | length 27.8
  Top Layer w0.254: C9.4 102.882,72.402 102.882,71.894 102.616,71.628 102.616,57.15 104.009,55.757 U4.42
PB7/REL16: C9.5 U4.43 | length 28.2
  Top Layer w0.254: C9.5 100.584,57.404 103.509,54.479 U4.43
PB8: U4.45
PB9: U4.46
PB12: U4.25
PB14: Relay.2 U4.27 | length 15.8
  Top Layer w0.254: U4.27 109.192,39.906 Relay.2
PB15: Relay.3 U4.28 | length 15
  Top Layer w0.254: U4.28 111.232,40.406 Relay.3
PC13: U4.2
PC14: C16.1 U4.3 Y2.1 | length 37.4
  Top Layer w0.254: v1(77.851,43.307) 77.851,44.133 77.915,44.196 80.391,44.196 80.772,43.815 80.772,43.583 80.921,43.434 87.227,43.434 87.376,43.583 87.376,44.958 92.71,44.958 94.262,43.406 U4.3
  Bottom Layer w0.254: C16.1 67.113,40.61 68.911,42.408 69.283,42.408 69.806,42.931 Y2.1 69.857,43.18 77.657,43.18 77.784,43.307 v1(77.851,43.307)
PC15: C14.1 U4.4 Y2.4 | length 49.5
  Top Layer w0.254: v1(79.756,43.434) 80.318,42.872 87.689,42.872 87.725,42.908 99.732,42.908 U4.4
  Bottom Layer w0.254: Y2.4 69.806,48.216 69.977,48.387 71.12,48.387 74.168,45.339 79.607,45.339 79.756,45.19 79.756,36.703 79.248,36.195 74.955,36.195 74.806,36.046 74.806,35.56 74.89,35.56 76.103,34.347 C14.1
RESET: C22.1 R13.1 SW4.2 U4.7 | length 24.2
  Top Layer w0.254: v1(87.884,32.262) 87.884,30.396 SW4.2 ; v1(89.789,38.608) 91.059,38.608 93.857,41.406 U4.7
  Bottom Layer w0.3: C22.1 87.175,34.036 87.884,34.036 ; v1(87.884,32.262) 87.884,34.036 ; R13.1 89.789,38.989 87.884,37.084 87.884,34.036
RST(PB13): U4.26
RXD0/USB_TX: R8.2 U1.34 | length 35
  Top Layer w0.3: v1(76.816,91.44) 78.016,91.44 78.394,91.063 80.363,91.063 U1.34
  Bottom Layer w0.3: R8.2 72.91,76.188 65.524,83.574 65.524,91.391 65.7,91.567 71.24,91.567 71.367,91.44 v1(76.816,91.44)
SVN: U1.5
SVP: U1.4
SWCLK: H1.2 U4.37 | length 85.5
  Top Layer w0.254: U4.37 106.509,47.32 106.941,47.752 111.887,47.752 v1(113.411,46.228)
  Bottom Layer w0.254: H1.2 69.723,30.48 73.787,26.416 88.011,26.416 89.789,28.194 89.789,29.95 89.938,30.099 100.711,30.099 101.346,29.464 101.346,27.94 102.616,26.67 102.616,26.438 102.765,26.289 115.189,26.289 115.824,26.924 115.824,43.815 v1(113.411,46.228)
SWDIO: H1.3 U4.34 | length 151
  Top Layer w0.254: v1(84.552,54.737) 84.552,54.784 84.328,55.009 84.328,62.992 89.408,62.992 89.725,63.309 89.725,70.294 94.107,74.676 113.139,74.676 113.393,74.422 v1(113.411,74.422) ; U4.34 108.43,43.406 108.478,43.454 115.59,43.454 118.364,46.228 122.533,46.228 122.682,46.377 122.682,57.404 122.301,57.785 122.301,65.637 122.152,65.786 v1(118.618,65.786)
  Bottom Layer w0.254: H1.3 67.223,31.282 65.659,29.718 62.738,29.718 61.718,30.738 61.718,36.597 61.468,36.847 61.468,44.704 61.83,45.066 61.83,51.035 64.897,54.102 71.628,54.102 71.628,54.969 71.777,55.118 84.171,55.118 v1(84.552,54.737) ; v1(113.411,74.422) 115.657,72.176 115.784,72.176 117.983,69.977 117.983,65.913 118.11,65.786 v1(118.618,65.786)
TXD0/USB_RX: R9.2 U1.35 | length 35.3
  Top Layer w0.3: v1(76.816,92.329) 76.82,92.333 80.363,92.333 U1.35
  Bottom Layer w0.3: R9.2 65.024,79.998 65.024,92.075 65.278,92.329 v1(76.816,92.329)
USB_D+: U6.4 USB1.3 | length 11.5
  Top Layer w0.3: USB1.3 96.427,99.712 96.427,100.823 96.569,100.965 99.441,100.965 99.906,100.5 99.906,99.329 99.822,99.245 99.822,99.06 98.401,97.639 97.004,97.639 U6.4
USB_D-: U6.5 USB1.2 | length 4
  Top Layer w0.3: U6.5 96.504,97.846 97.027,98.369 USB1.2
USB_DTR: Q2.1 R7.2 U6.28 | length 16.7
  Top Layer w0.3: Q2.1 93.091,87.757 R7.2 96.814,88.138 98.171,88.138 101.219,91.186 101.255,91.186 102.762,92.693 102.762,93.707 101.584,94.885 100.731,94.885 100.728,94.888 100.186,94.888 100.183,94.885 U6.28
USB_RTS: Q1.1 R11.2 U6.24 | length 24.6
  Top Layer w0.3: R11.2 89.749,93.599 90.805,93.599 91.186,93.218 91.567,93.218 94.997,89.788 95.123,89.662 98.806,89.662 v1(102.108,92.964) 102.054,92.964 101.908,92.818 100.44,92.818 100.373,92.885 U6.24
  Bottom Layer w0.3: v1(102.108,92.964) 103.334,92.964 103.755,93.385 105.795,93.385 106.305,92.875 106.305,92.831 Q1.1
VBAT: U4.1
VCCUSB: USB1.1
VIN: C4.1 C6.1 D1.2 U2.1 U3.1 | length 113.7
  Top Layer w0.4: C6.1 52.705,43.089 54.105,44.489 54.505,44.489 54.564,44.548 U2.1 ; v2(52.832,60.24) 52.832,50.673 58.091,45.414 58.091,44.848 U2.1@58.391,44.548 ; v1@56.007,60.198 56.007,62.722 57.9,64.615 57.9,74.547 v1(57.912,74.559)
  Bottom Layer w0.4: v2(52.832,60.24) 52.867,60.205 55.988,60.205 55.995,60.198 62.25,60.198 62.484,60.432 62.484,63.266 62.718,63.5 64.643,63.5 64.643,69.997 65.431,70.784 79.547,70.784 80.264,71.501 80.678,71.501 82.964,73.787 92.202,73.787 99.38,80.965 100.921,80.965 101.49,81.534 101.646,81.69 U3.1 ; D1.2 54.18,77.343 55.45,76.073 56.769,76.073 57.355,75.487 57.355,75.143 57.912,74.586 v1(57.912,74.559)
  other v1: 55.995,60.186
pads on no net: U1.32 U5.4 U6. U6.1 U6.2 U6.10 U6.11 U6.12 U6.13 U6.14 U6.15 U6.16 U6.17 U6.18 U6.19 U6.20 U6.21 U6.22 U6.23 U6.27 USB1. USB1.4 USB1.8 USB1.9 Y2.2 Y2.3
copper on no net: | length 143.3
  Top Layer w0.254: 42.56,27.056 43.053,25.527 ; 42.799,25.529 43.307,25.525 ; 43.292,103.383 43.815,104.902 ; 43.357,57.191 43.053,25.527 ; 43.511,73.238 43.815,104.902 ; 43.561,104.904 44.069,104.9 ; 43.576,27.046 43.053,25.527 ; 44.308,103.373 43.815,104.902 ; 45.719,23.241 45.721,23.749 ; 47.242,22.98 45.72,23.495 ; 47.246,23.996 45.72,23.495 ; 78.272,23.339 45.72,23.495 ; 92.797,23.27 125.349,23.114 ; 123.823,22.613 125.349,23.114 ; 123.827,23.629 125.349,23.114 ; 125.348,22.86 125.35,23.368

## Polygon pours and split planes (outlines as drawn)
GND on Top Layer "GND_L01_P000" (solid, remove dead copper, pour order 0): 125.095,104.775 125.095,25.654 45.847,25.654 45.847,104.775
GND on Bottom Layer "GND_L02_P001" (solid, remove dead copper, pour order 1): 45.847,104.775 45.847,25.781 125.095,25.781 125.095,104.775

## Keep-outs
Keep-Out Layer:
  lines w0.254: 125.222,25.4 125.222,104.902 45.72,104.902 45.72,25.527 125.222,25.527

## Other copper
Top Layer:
  text "79.379 (mm)" at 44.274,57.436 h1.52 r89.45
  text "79.63 (mm)" at 78.522,22.424 h1.52 r359.73

## Silkscreen, mask and mechanical layers (free items; w line width, h text height)
Top Overlay:
  text "RESET" at 82.538,99.06 h1.02 r90
  text "BOOT" at 86.626,95.123 h1.02 r270
  text "GND" at 93.472,70.373 h1.27
  text "VCC" at 96.901,70.373 h1.27
  text "AUX" at 99.694,70.373 h1.27
  text "M0" at 109.983,70.373 h1.27
  text "TXD" at 102.489,70.358 h1.27
  text "RXT" at 104.775,70.358 h1.27
  text "M1" at 107.57,70.358 h1.27
  text "GATEWAY_V2.0" at 89.662,61.864 h1.52
  text "AmazingTech" at 92.963,60.691 h1.27
  text "GND" at 62.611,56.784 h1.27
  text "3V3" at 68.326,56.784 h1.27
  text "RX" at 60.706,53.213 h1.27
  text "GND" at 121.805,50.927 h1.02 r270
  text "TX" at 60.833,50.673 h1.27
  text "5V" at 60.833,48.529 h1.27
  text "RE16" at 121.678,48.514 h1.02 r270
  text "RE15" at 121.678,45.847 h1.02 r270
  text "RE14" at 121.666,43.307 h1.02 r270
  text "RE13" at 121.678,40.767 h1.02 r270
  text "RE12" at 121.666,38.227 h1.02 r270
  text "RE11" at 121.666,35.687 h1.02 r270
  text "RE10" at 121.678,33.02 h1.02 r270
  text "GND" at 50.673,32.524 h1.02
  text "3V3" at 53.594,32.524 h1.02
  text "3V3" at 56.134,32.524 h1.02
  text "3V3" at 58.101,32.499 h1.02
  text "RE9" at 121.678,30.353 h1.02 r270
  text "RESET2" at 84.201,27.444 h1.02
  text "5V" at 121.678,27.432 h1.02 r270
  text "5V" at 49.657,26.936 h1.02
  text "5V" at 52.324,26.936 h1.02
  text "5V" at 54.356,26.936 h1.02

## Text inside footprints (layer, text, board x,y; h text height)
U1: Mechanical 2 "1" at 63.966,96.091 h0.7 r90; Mechanical 2 "14" at 63.966,79.191 h0.7 r90; Mechanical 2 "15" at 65.566,78.591 h0.7; Mechanical 2 "24" at 76.966,78.591 h0.7; Mechanical 2 "25" at 80.666,78.991 h0.7 r90; Mechanical 2 "38" at 80.666,95.591 h0.7 r90
U6: Mechanical 2 "28" at 98.704,95.185 h0.7 r270; Mechanical 2 "22" at 98.604,92.685 h0.7 r270; Mechanical 2 "21" at 98.704,91.685 h0.7 r180; Mechanical 2 "15" at 96.004,91.685 h0.7 r180; Mechanical 2 "14" at 94.904,92.785 h0.7 r270; Mechanical 2 "8" at 94.804,95.085 h0.7 r270; Mechanical 2 "7" at 95.704,95.685 h0.7 r180; Mechanical 2 "1" at 98.504,95.685 h0.7 r180
USB1: Mechanical 2 "5" at 95.377,100.662 h0.7 r180; Mechanical 2 "1" at 97.777,100.662 h0.7 r180